# Altium PCB PCB2.PcbDoc
Units mm, origin at the board's own origin, x right, y up, seen from the top; angles counter-clockwise.
Board outline 50 x 55 mm, 2 copper layers (Top Layer, Bottom Layer); 14 components, 34 nets, 82 pads, 13 vias.
Unrouted connection lines stored in the file: 3.
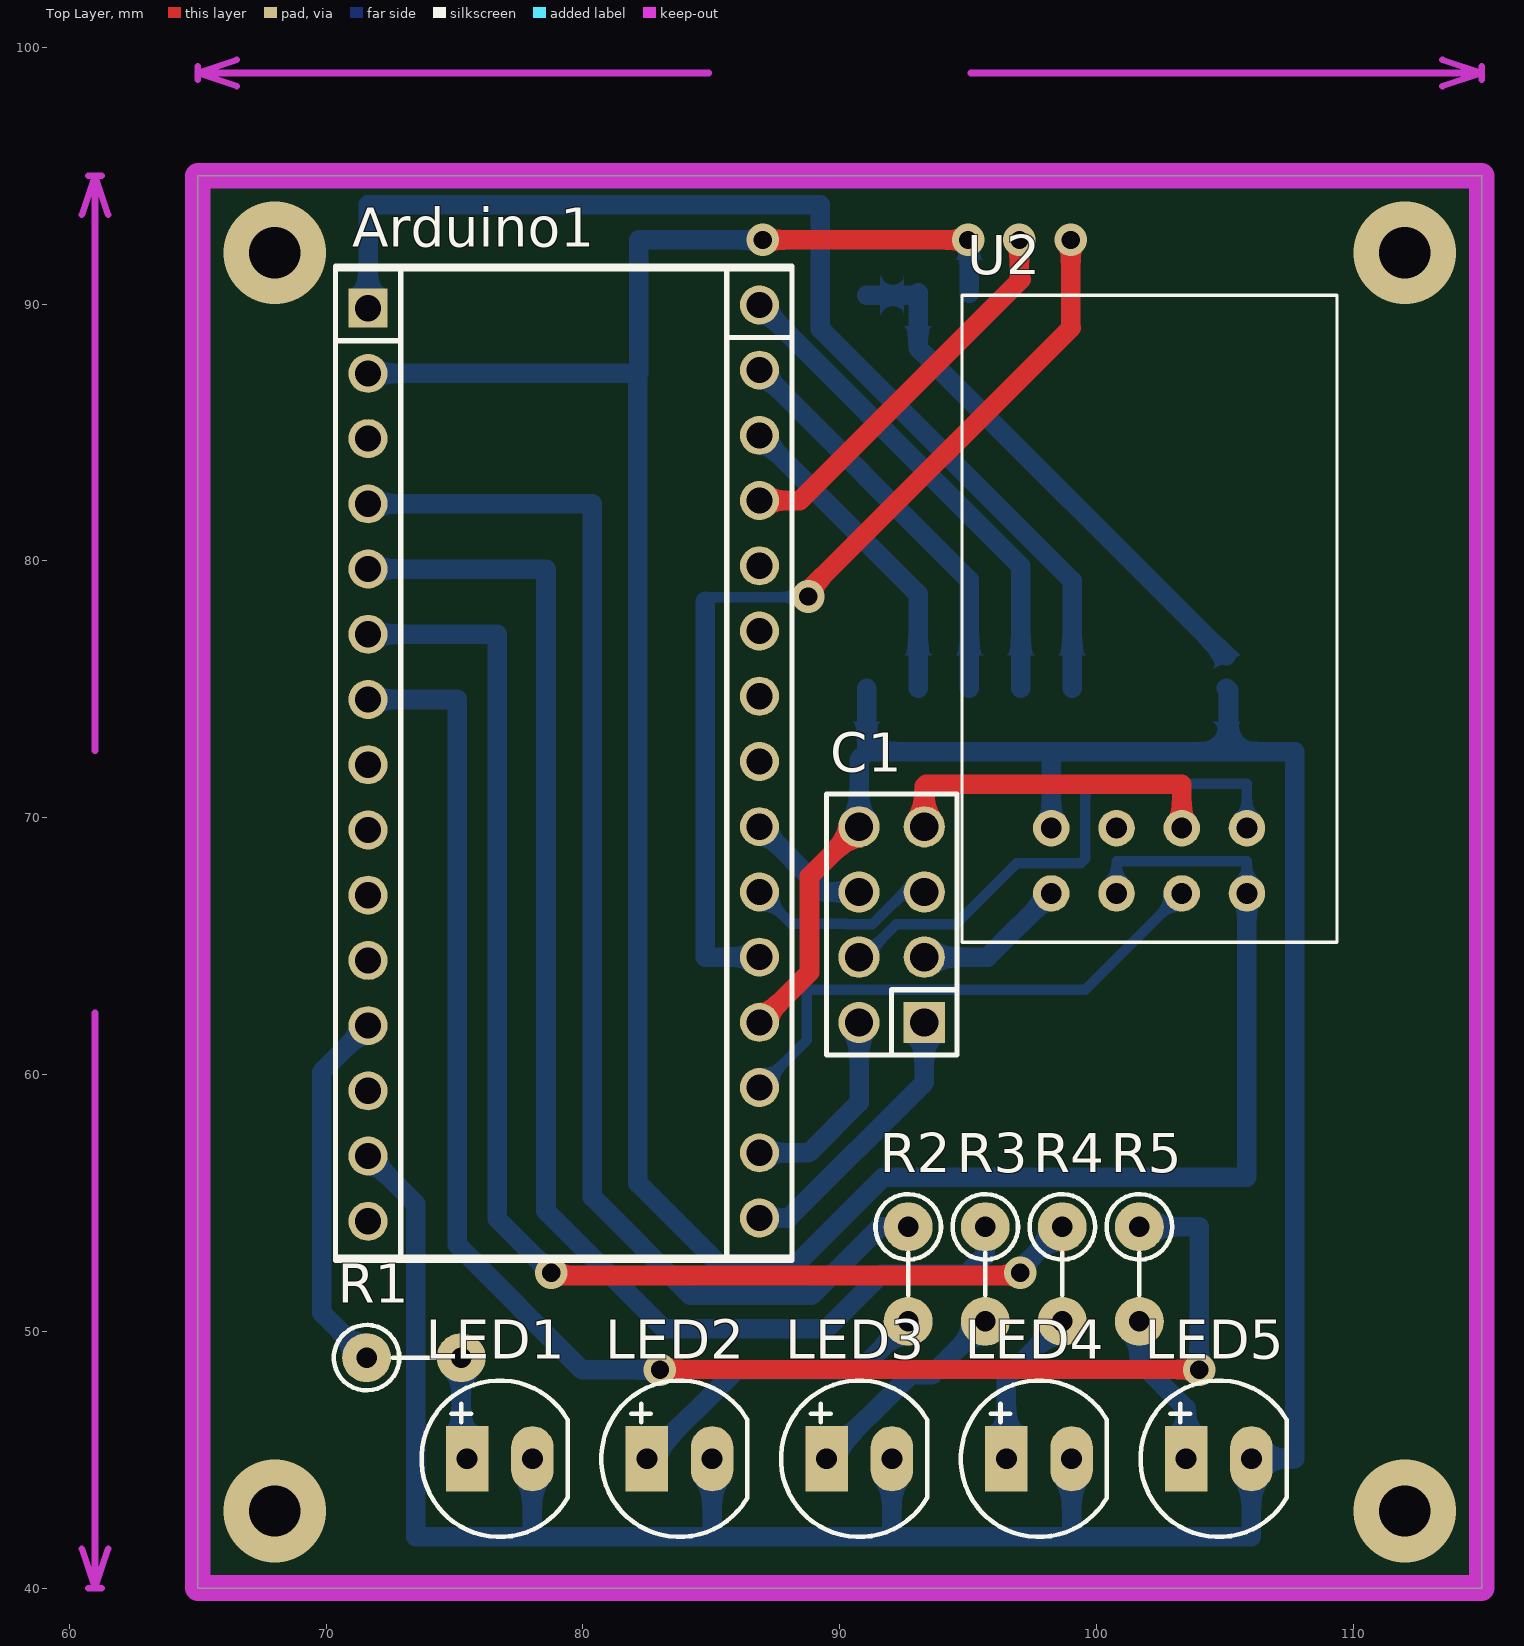
[diagram p0: Top Layer view]
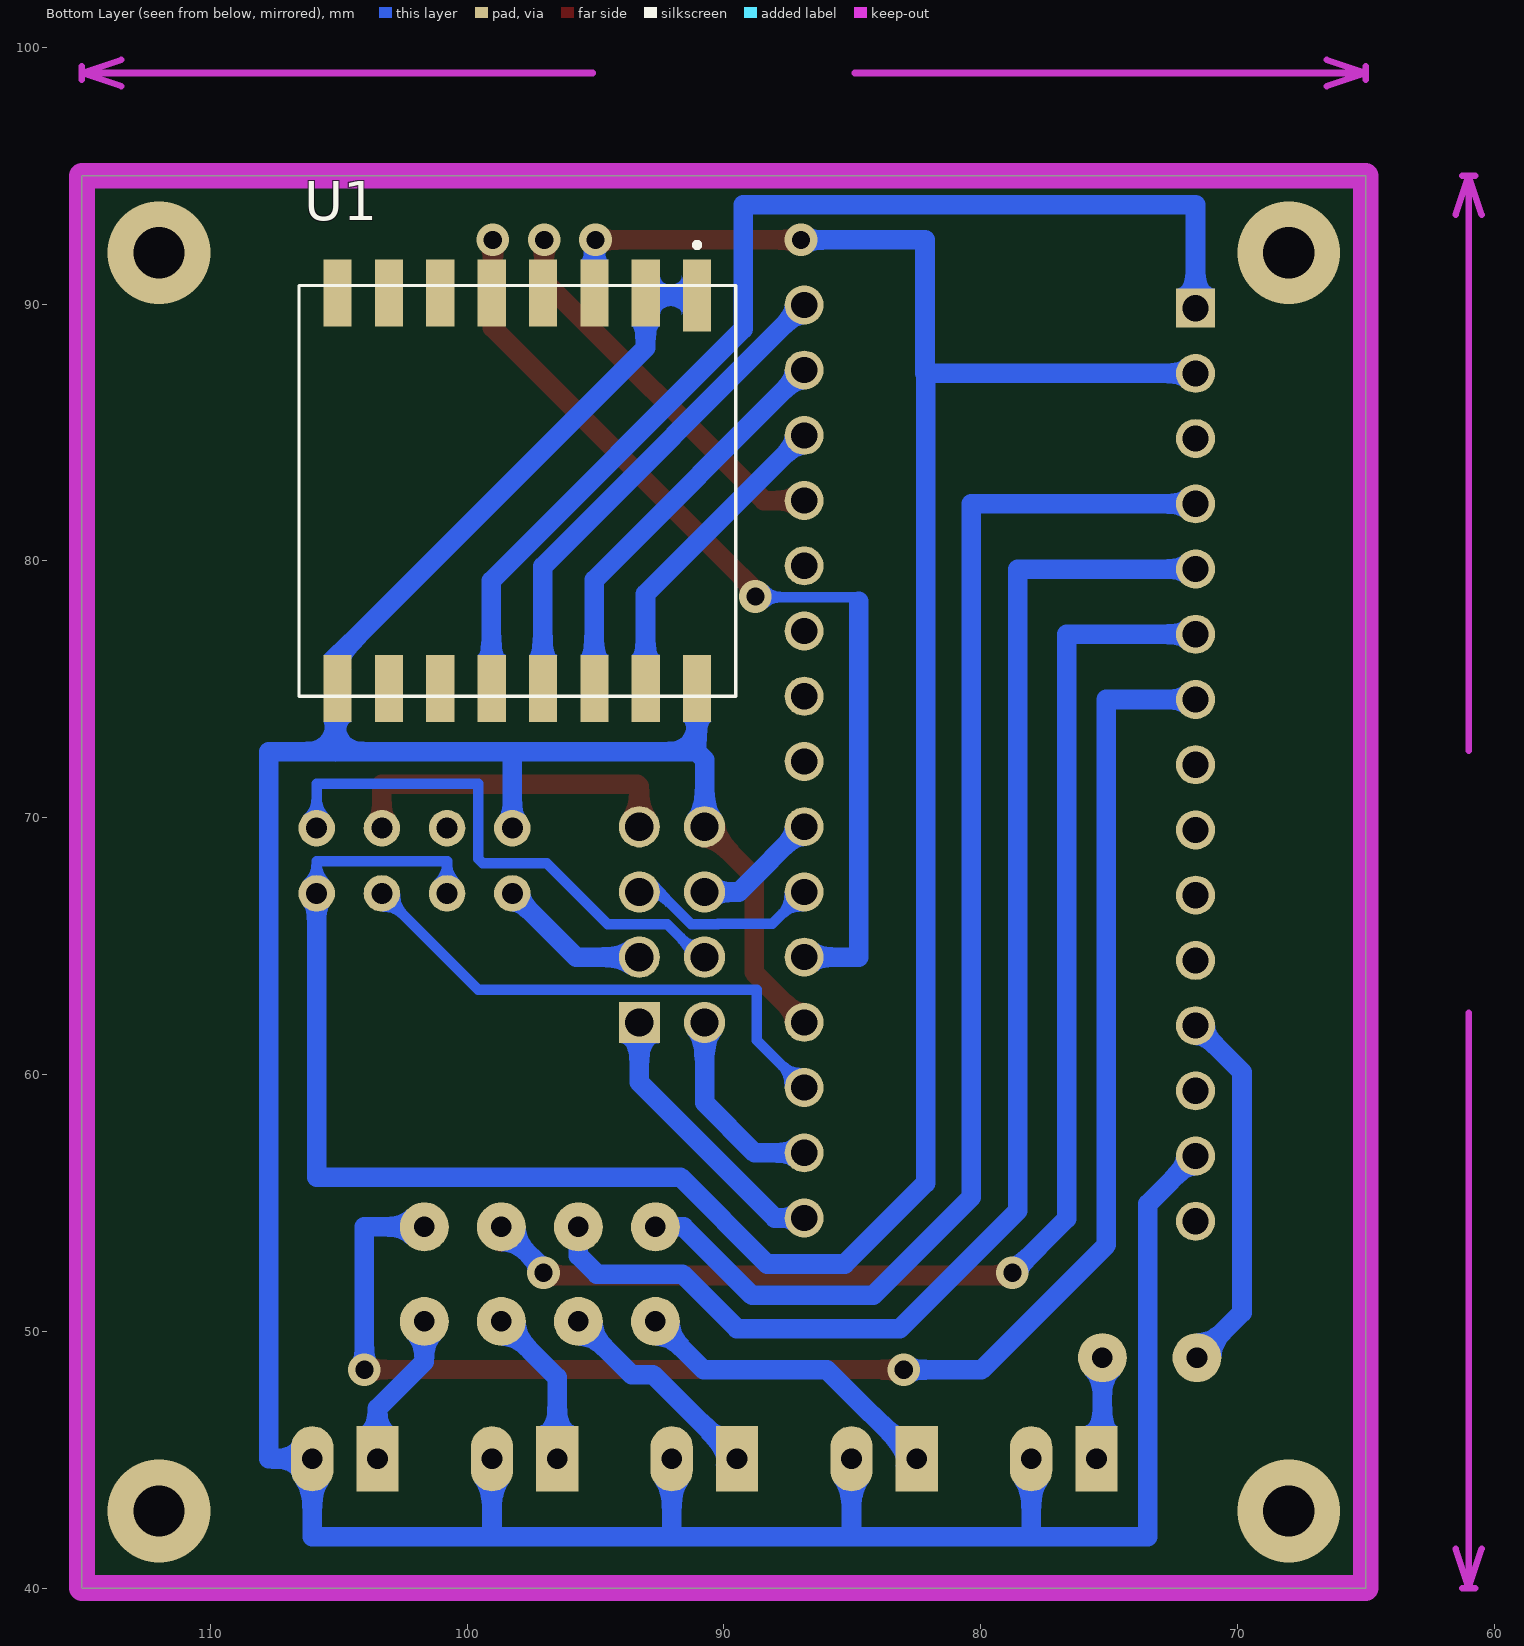
[diagram p1: Bottom Layer view, seen from below]

## Layer stack, top to bottom
Top Solder: solder mask 0.0102, Solder Resist, Dk 3.5
Top Layer: signal copper 0.0356
Dielectric 1: dielectric 0.32, FR-4, Dk 4.8
Bottom Layer: signal copper 0.0356
Bottom Solder: solder mask 0.0102, Solder Resist, Dk 3.5

## Board outline
65,40 115,40 115,95 65,95

## Design rules (kind name [scope] priority, off if disabled: settings)
Clearance [All] p1: gap=0.254
PolygonConnect [All] p1: connectstyle=Relief reliefconductorwidth=0.254 reliefentries=4 polygonreliefangle="90 Angle" airgapwidth=0.254
RoutingVias [All] p1: holewidth=0.711 width=1.27 viastyle="Through Hole" minholewidth=0.711 minwidth=1.27 maxholewidth=0.711 maxwidth=1.27
SolderMaskExpansion [All] p1: expansion=0.102
Width [All] p1: maxlimit=0.762 minlimit=0.762 preferedwidth=0.762
30 further rules are at their usual default settings.

## Components (designator, comment, footprint, x,y, rotation, side; value= is the part's Value field where it differs from the comment)
Arduino1 "Arduino Nano" "Arduino Nano" 78.493,71.935 r180 top
C1 "JP4x2" JP4-D2T 92.024,65.837 r90 top
LED1 "LED" LED-5-Yellow 75.493,45.035 r0 top
LED2 "LED" LED-5-Yellow 82.493,45.035 r0 top
LED3 "LED" LED-5-Yellow 89.493,45.035 r0 top
LED4 "LED" LED-5-Yellow 96.493,45.035 r0 top
LED5 "LED" LED-5-Yellow 103.493,45.035 r0 top
R1 "Res" RES-1/4WD 73.228,48.971 r0 top
R2 "Res" RES-1/4WD 92.668,52.415 r270 top
R3 "Res" RES-1/4WD 95.668,52.415 r270 top
R4 "Res" RES-1/4WD 98.668,52.415 r270 top
R5 "Res" RES-1/4WD 101.668,52.415 r270 top
U1 "RA-02_LORA" MODULE_RA-02_LORA 98.044,82.728 r270 bottom
U2 "ESP-01" ESP8266 102,68.5 r180 top

## Footprints (in the part's own frame and the unit in brackets; to place one, negate y for a bottom-side part, rotate by r counter-clockwise, add the part's x,y. Pads: shape width x height; smd on the part's side, far side on the other; paste and mask are expansions set on the pad)
"Arduino Nano" [mm]
  round 1.52 hole 1.02: 3V3(6.858,-15.367) 5V(6.858,10.033) A0(6.858,-10.287) A1(6.858,-7.747) A2(6.858,-5.207) A3(6.858,-2.667) A4(6.858,-0.127) A5(6.858,2.413) A6(6.858,4.953) A7(6.858,7.493) D2(-8.382,7.366) D3(-8.382,4.826) D4(-8.382,2.286) D5(-8.382,-0.254) D6(-8.382,-2.794) D7(-8.382,-5.334) D8(-8.382,-7.874) D9(-8.382,-10.414) D10(-8.382,-12.954) D11(-8.382,-15.494) D12(-8.382,-18.034) GND(-8.382,9.906) GND(6.858,15.113) REF(6.858,-12.827) RST(-8.382,12.446) RST(6.858,12.573) RX0(-8.382,14.986) TX1(-8.382,17.526) VIN(6.858,17.653)
  rect 1.52x1.52 hole 1.02: D13(6.858,-17.907)
  silkscreen extent -9.65,-19.55 8.13,19.18, body extent -9.65,-23.48 8.14,21.44, height 21.18
ESP8266 [mil]
  round 56 hole 32: 1(148,57) 2(48,57) 3(-52,57) 4(-152,57) 5(-152,-43) 6(-52,-43) 7(48,-43) 8(148,-43)
  silkscreen extent -290,-860 285,132, body extent -290,-858 281,118, height 566
JP4-D2T [mm] "8 pins, dual pin, straight, gold plating"
  rect 1.61x1.6 hole 1.1: 1(-3.81,-1.27)
  oval 1.61x1.6 hole 1.1: 2(-1.27,-1.27) 3(1.27,-1.27) 4(3.81,-1.27) 5(3.81,1.27) 6(1.27,1.27) 7(-1.27,1.27) 8(-3.81,1.27)
  silkscreen extent -5.08,-2.54 5.08,2.54, body extent -5.08,-2.54 5.08,2.54, height 8.55
LED-5-Yellow [mil] "LED 2 PIN, 5 ly , Only colour,pin to pin 100mil"
  rect 65x100 hole 32: 1(0,0)
  oval 65x100 hole 32: 2(100,0)
  silkscreen extent -70,-120 154,120, body extent -67,-122 147,115, height 339
MODULE_RA-02_LORA [mm]
  rect 2.8x1.1 smd: 1(-7.6,7)
  rect 2.6x1.1 smd: 2(-7.7,5) 3(-7.7,3) 4(-7.7,1) 5(-7.7,-1) 6(-7.7,-3) 7(-7.7,-5) 8(-7.7,-7) 9(7.7,-7) 10(7.7,-5) 11(7.7,-3) 12(7.7,-1) 13(7.7,1) 14(7.7,3) 15(7.7,5) 16(7.7,7)
  silkscreen extent -9.68,-8.5 8,8.5, body extent -8,-8.5 8,8.5, height 3.2
RES-1/4WD [mm]
  round 1.905 hole 0.8: 1(-1.651,0) 2(2.032,0)
  silkscreen extent -2.92,-1.28 1.02,1.28, body extent -2.85,-1.14 2.35,1.16, height 9.64

## Part data
Arduino1: "Arduino NANO"
C1: "WR-PHD 2.54 mm Dual Socket Header"
LED1 LED2 LED3 LED4 LED5: "LED Single colour Green and Red"
U1: "Ra-02 LoRa RF M5Stack Platform Evaluation Expansion Board"
U2: library part ESP8266-01, "ESP-12 Wi-Fi Module"

## Via types
v1: diameter 1.27, hole 0.711, Top Layer to Bottom Layer, 9 vias
v2: diameter 4, hole 2, Top Layer to Bottom Layer, 4 vias

## Nets (pads, with @x,y where several pads share a name; then routed paths per layer and width w, separated by ;. In a path a pad name is that pad's centre, name@x,y a point inside that pad or via, vN(x,y) a via of type N, cw(c..) or ccw(c..) an arc to the next point about the centre after c; other vN are vias at no path point)
3V: Arduino1.3V3 U1.3 U2.2 U2.4 | length 107.4
  Top Layer w0.762: v1(87,92.5) v1(95,92.5)
  Bottom Layer w0.406: U2.2 100.781,68.301 105.861,68.301 U2.4
  Bottom Layer w0.762: Arduino1.3V3 82.169,87.302 82.169,92.5 v1(87,92.5) ; 82.144,87.427 82.144,55.772 85.298,52.618 88.318,52.618 91.7,56 105.861,56 U2.4 ; v1(95,92.5) 95.044,92.456 U1.3
A0: Arduino1.A0 R2.1 | length 50.7
  Bottom Layer w0.762: Arduino1.A0 80.366,82.222 80.366,55.22 84.185,51.4 88.9,51.4 91.566,54.066 R2.1
A1: Arduino1.A1 R3.1 | length 53.2
  Bottom Layer w0.762: Arduino1.A1 78.562,79.682 78.562,54.686 83.148,50.1 89.5,50.1 91.622,52.222 94.945,52.222 95.668,52.946 R3.1
A2: Arduino1.A2 R4.1 | length 51.9
  Top Layer w0.762: v1(78.765,52.273) 78.867,52.172 v1@96.774,52.172 ; R4.1@98.668,53.472 R4.1
  Bottom Layer w0.762: Arduino1.A2 76.657,77.142 76.657,54.381 v1(78.765,52.273) ; v1(97.028,52.273) 97.028,52.425 R4.1
A3: Arduino1.A3 R5.1 | length 63.5
  Top Layer w0.762: v1(83,48.5) v1@104,48.516
  Bottom Layer w0.762: Arduino1.A3 75.108,74.602 75.108,53.365 79.973,48.5 v1(83,48.5) ; R5.1 104,54.066 v1(104,48.5)
A4: Arduino1.A4
A5: Arduino1.A5
A6: Arduino1.A6
A7: Arduino1.A7
D3: Arduino1.D3 C1.3 | length 7.5
  Bottom Layer w0.406: Arduino1.D3 88.122,65.862 90.216,65.862 90.233,65.845 91.275,65.845 92.537,67.107 C1.3
D4: Arduino1.D4 C1.6 | length 4.9
  Bottom Layer w0.762: Arduino1.D4 89.417,67.107 C1.6
D5: Arduino1.D5
D6: Arduino1.D6
D7: Arduino1.D7
D8: Arduino1.D8
DI0: Arduino1.D2 U1.5 | length 37.8
  Top Layer w0.762: v1@88.925,78.994 99.019,89.088 99,89.107 v1(99,92.5)
  Bottom Layer w0.406: 84.757,78.433 84.917,78.592 88.752,78.592 v1(88.773,78.613)
  Bottom Layer w0.762: 84.757,78.433 84.757,64.569 Arduino1.D2
GND: Arduino1.GND C1.5 LED1.2 LED2.2 LED3.2 LED4.2 LED5.2 U1.1 U1.2 U1.9 U1.16 U2.8 | length 150.1
  Top Layer w0.762: Arduino1.GND@86.875,62.029 88.824,63.979 88.824,67.716 C1.5 ; U2.8 U2.8@98.247,69.599
  Bottom Layer w0.762: Arduino1.GND@71.635,56.822 73.493,54.964 73.493,42 106.033,42 ; 78.033,42.067 LED1.2 ; 85.033,42.133 LED2.2 ; C1.5 90.754,72.263 91.054,72.563 U1.16@91.054,75.039 ; 91.054,72.568 105.141,72.568 ; U1.1@91.054,90.339 92.954,90.339 93.054,90.439 93.054,88.298 U1.9@105.054,76.298 ; 92.033,42.133 LED3.2 ; U2.8 98.241,72.511 98.247,72.517 ; 99.033,42.067 LED4.2 ; U1.9@105.054,75.039 105.141,74.953 105.141,72.568 ; 106.033,42.065 LED5.2 107.721,45.035 107.721,72.568 105.141,72.568
GPIO0: C1.4 U2.6 | length 13.3
  Top Layer w0.762: C1.4 93.294,71.222 93.37,71.298 103.321,71.298 U2.6
MISO: Arduino1.D12 U1.13 | length 19.1
  Bottom Layer w0.762: Arduino1.D12 97.054,79.79 U1.13@97.054,75.039
MOSI: Arduino1.D11 U1.14 | length 15.8
  Bottom Layer w0.762: Arduino1.D11 95.044,79.26 95.054,79.26 U1.14@95.054,75.039
NetArduino1_RX0: Arduino1.RX0 C1.8 | length 7.8
  Bottom Layer w0.762: Arduino1.RX0 88.801,56.949 90.754,58.903 C1.8
NetArduino1_TX1: Arduino1.TX1 C1.1 | length 10.9
  Bottom Layer w0.762: Arduino1.TX1 88.014,54.409 93.294,59.69 C1.1
NetLED1_1: LED1.1 R1.2 | length 3.7
  Bottom Layer w0.762: LED1.1@75.26,45.268 R1.2
NetLED2_1: LED2.1 R2.2 | length 13.5
  Bottom Layer w0.762: LED2.1 82.523,45.035 85.987,48.5 90.786,48.5 R2.2 92.668,49.888 R2.2@92.214,50.343
NetLED3_1: LED3.1 R3.2 | length 8.4
  Bottom Layer w0.762: LED3.1 92.768,48.311 93.596,48.311 R3.2
NetLED4_1: LED4.1 R4.2 | length 6.5
  Bottom Layer w0.762: LED4.1 96.493,48.207 R4.2 R4.2@98.436,50.383
NetLED5_1: LED5.1 R5.2 | length 6.1
  Bottom Layer w0.762: R5.2 101.668,48.817 103.493,46.993 LED5.1
NSS: Arduino1.D10 U1.15 | length 12.4
  Bottom Layer w0.762: Arduino1.D10 93.054,78.71 U1.15@93.054,75.039
RESET: Arduino1.RST U2.3 | length 20.9
  Top Layer w0.762: U2.3@103.251,66.824 U2.3@103.4,66.973
  Bottom Layer w0.406: Arduino1.RST@86.875,59.489 88.722,61.337 88.722,63.297 99.565,63.297 U2.3
RS: Arduino1.D9 U1.4 | length 15.3
  Top Layer w0.762: Arduino1.D9 88.445,82.349 97.063,90.967 97,91.031 v1(97,92.5)
RX: C1.7 U2.5 | length 21.5
  Bottom Layer w0.406: C1.7 90.931,64.567 92.209,65.845 94.521,65.845 96.897,68.221 99.386,68.221 99.568,68.402 99.568,71.323 105.861,71.323 U2.5
  Bottom Layer w0.762: U2.5 U2.5@105.966,69.698
SCK: Arduino1.D13 U1.12 | length 44.5
  Bottom Layer w0.762: Arduino1.D13 71.635,93.865 89.25,93.865 89.25,89.031 99.054,79.227 U1.12@99.054,75.039
TX: C1.2 U2.1 | length 6
  Bottom Layer w0.762: C1.2 95.755,64.567 U2.1
VCC: Arduino1.5V R1.1 | length 14.4
  Bottom Layer w0.762: R1.1 69.825,50.724 69.825,60.092 Arduino1.5V
pads on no net: Arduino1.REF Arduino1.VIN U1.6 U1.7 U1.8 U1.10 U1.11 U2.7
copper on no net:
  other v2: 68,43 112,43 68,92 112,92

## Keep-outs
Keep-Out Layer:
  lines w0.254: 60.492,41.524 61,40 ; 60.492,93.476 61,95 ; 60.746,40 61.254,40 ; 60.746,95 61.254,95 ; 61,62.396 61,40 ; 61,72.604 61,95 ; 61.508,41.524 61,40 ; 61.508,93.476 61,95 ; 65,98.746 65,99.254 ; 66.524,98.492 65,99 ; 66.524,99.508 65,99 ; 84.896,99 65,99 ; 95.104,99 115,99 ; 113.476,98.492 115,99 ; 113.476,99.508 115,99 ; 115,98.746 115,99.254
  lines w1: 65,40 65,95 115,95 115,40 65,40
  text "50 (mm)" at 85.15,98.086 h1.52
  text "55 (mm)" at 61.914,62.65 h1.52 r90